# Altium PCB SAMW25_Xplained_Pro.PcbDoc (part 6 of 9)
Units mm, origin at the board's own origin, x right, y up, seen from the top; angles counter-clockwise.
Board outline 60 x 60 mm, 4 copper layers (Top Layer LF-signals, GND, POWER, Bottom Layer LF-signals), stack 1.602 mm thick; 139 components, 107 nets, 540 pads, 303 vias.
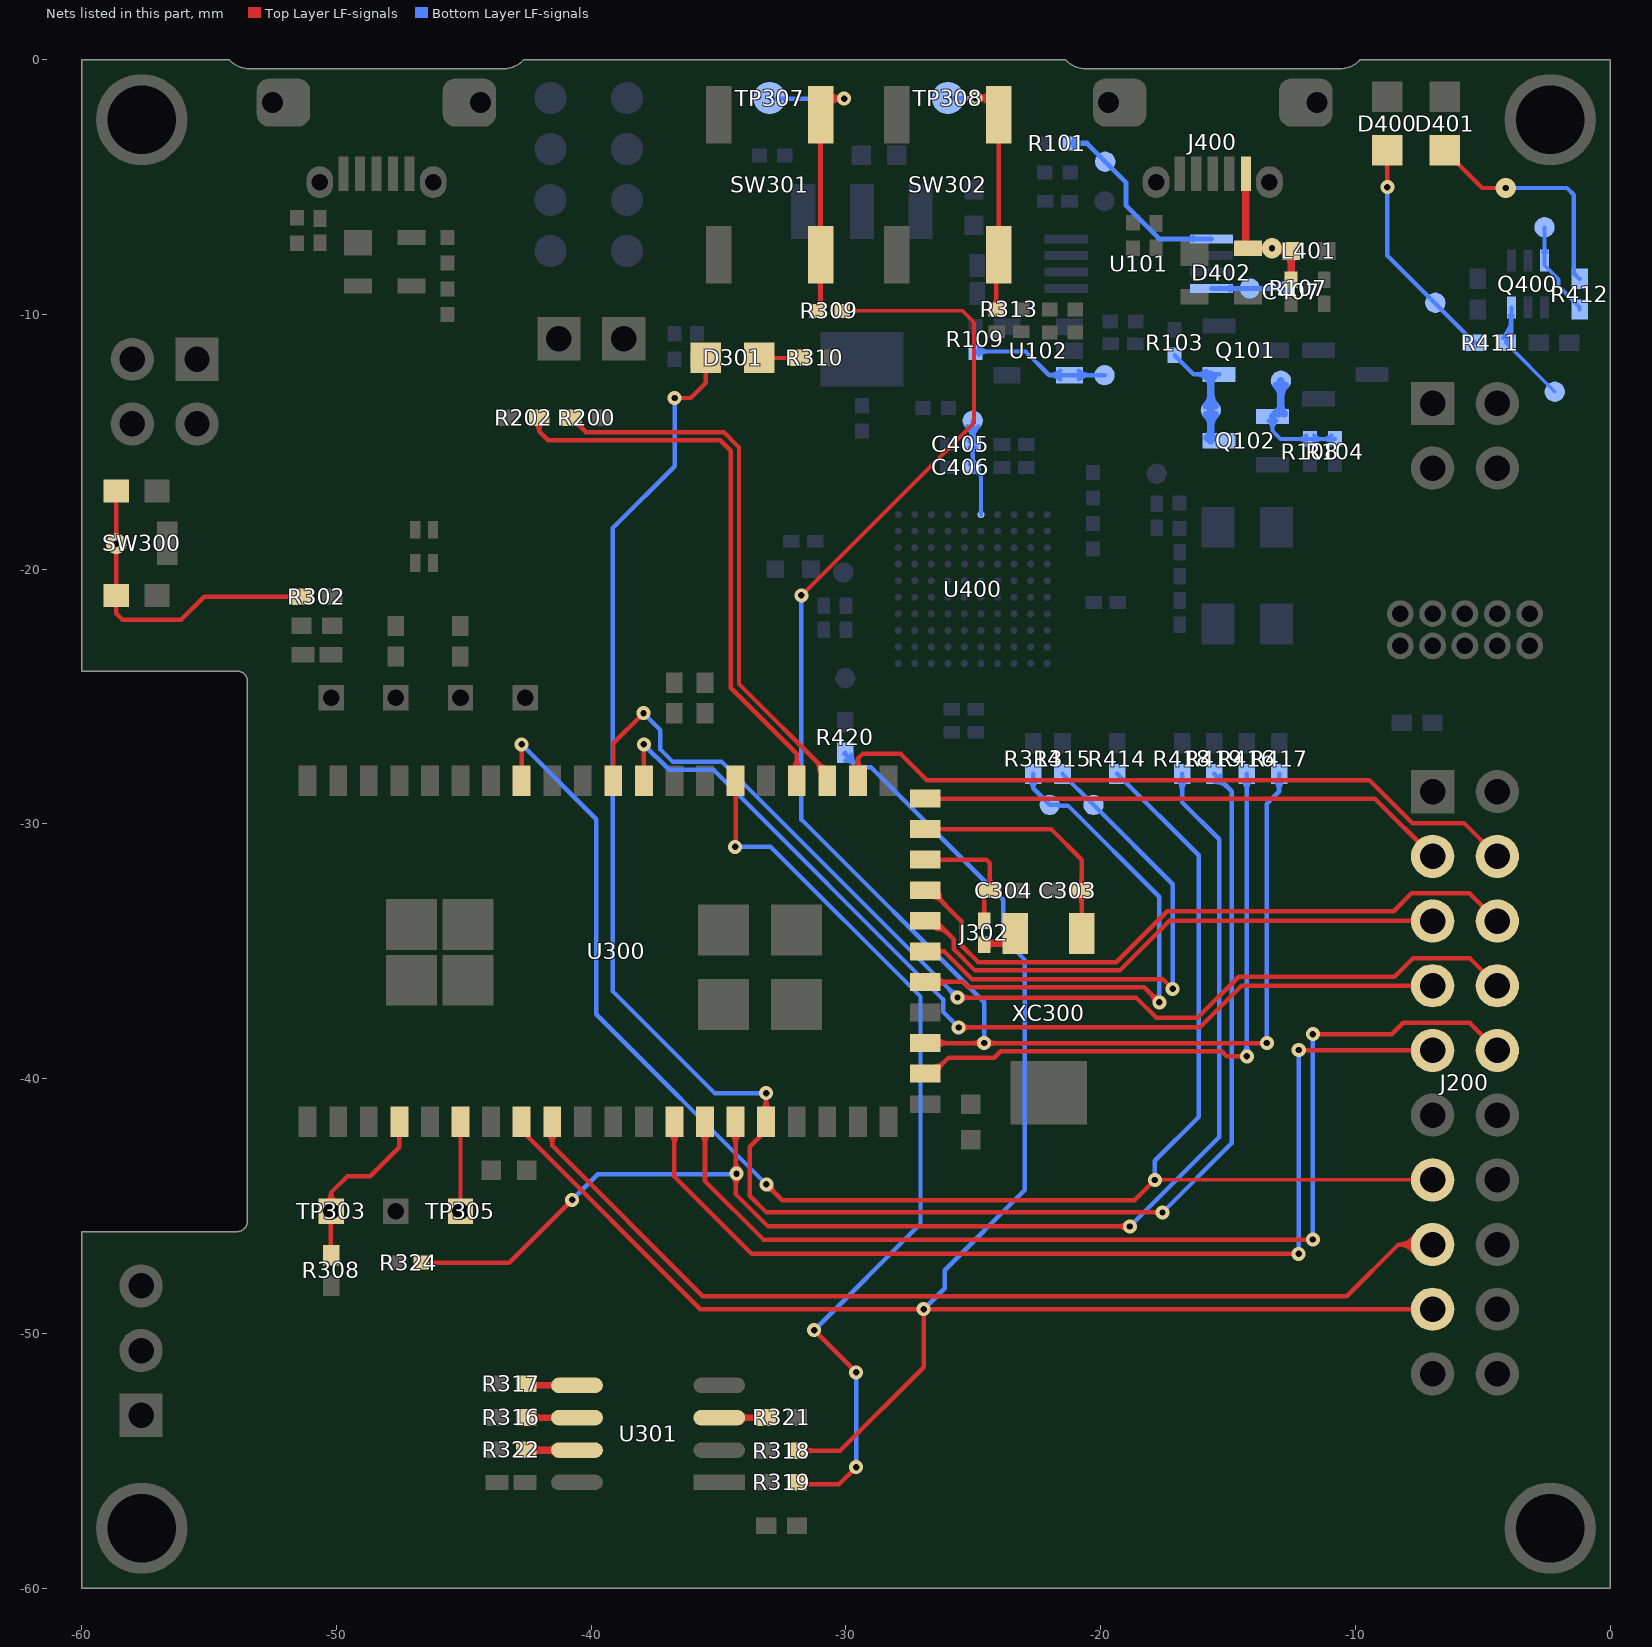
[diagram p8: the nets of this part, all layers, seen from the top]

## Via types
v1: diameter 0.55, hole 0.25, Top Layer LF-signals to Bottom Layer LF-signals, tented both sides, 213 vias
v2: diameter 0.55, hole 0.25, Top Layer LF-signals to Bottom Layer LF-signals, 46 vias
v3: diameter 0.55/0.8 (per signal layer), hole 0.25, Top Layer LF-signals to Bottom Layer LF-signals, tented top, 18 vias
v4: diameter 0.4, hole 0.2, Top Layer LF-signals to Bottom Layer LF-signals, 15 vias
v5: diameter 0.55, hole 0.25, Top Layer LF-signals to Bottom Layer LF-signals, tented top, 8 vias
v6: diameter 0.6, hole 0.3, Top Layer LF-signals to Bottom Layer LF-signals, tented both sides, 3 vias

## Nets (pads, with @x,y where several pads share a name; then routed paths per layer and width w, separated by ;. In a path a pad name is that pad's centre, name@x,y a point inside that pad or via, vN(x,y) a via of type N, cw(c..) or ccw(c..) an arc to the next point about the centre after c; other vN are vias at no path point) (continued)
NetC405_1: C405.1 C406.1 pad.0@-25.025,-14.166 U400.E10 | length 16.4
  Bottom Layer LF-signals w0.175: pad.0@-25.025,-14.166 C405.1@-25.025,-15.1 C406.1@-25.025,-16 -24.7,-16.325 ; U400.E10@-24.7,-17.85 -24.7,-16.325 ; pad.0@-25.246,-14.387 cw(c-25.779,-14.92) C405.1@-25.025,-14.92 ; pad.0@-25.246,-14.387 cw(c-25.779,-14.92) C405.1@-25.025,-14.92 ; pad.0@-25.246,-14.387 cw(c-25.779,-14.92) C405.1@-25.025,-14.92 ; C405.1@-25.17,-14.953 ccw(c-25.248,-14.789) -25.073,-14.742 ; C405.1@-25.17,-14.953 ccw(c-25.248,-14.789) -25.073,-14.742 ; C405.1@-25.17,-14.953 ccw(c-25.248,-14.789) -25.073,-14.742 ; C405.1@-25.17,-14.953 ccw(c-25.248,-14.789) -25.073,-14.742 ; C406.1@-25.14,-15.885 ccw(c-25.417,-15.608) -25.025,-15.608 ; C406.1@-25.14,-15.885 ccw(c-25.417,-15.608) -25.025,-15.608 ; C406.1@-25.14,-15.885 ccw(c-25.417,-15.608) -25.025,-15.608 ; C405.1@-25.14,-15.215 cw(c-25.417,-15.492) -25.025,-15.492 ; C405.1@-25.14,-15.215 cw(c-25.417,-15.492) -25.025,-15.492 ; C405.1@-25.14,-15.215 cw(c-25.417,-15.492) -25.025,-15.492 ; C405.1@-25.14,-14.985 ccw(c-25.417,-14.708) -25.025,-14.708 ; C405.1@-25.14,-14.985 ccw(c-25.417,-14.708) -25.025,-14.708 ; C405.1@-25.14,-14.985 ccw(c-25.417,-14.708) -25.025,-14.708 ; -25.025,-15.608 ccw(c-24.633,-15.608) C406.1@-24.91,-15.885 ; -25.025,-15.608 ccw(c-24.633,-15.608) C406.1@-24.91,-15.885 ; -25.025,-15.608 ccw(c-24.633,-15.608) C406.1@-24.91,-15.885 ; -25.025,-15.492 cw(c-24.633,-15.492) C405.1@-24.91,-15.215 ; -25.025,-15.492 cw(c-24.633,-15.492) C405.1@-24.91,-15.215 ; -25.025,-15.492 cw(c-24.633,-15.492) C405.1@-24.91,-15.215 ; C405.1@-25.025,-14.92 cw(c-24.271,-14.92) pad.0@-24.804,-14.387 ; C405.1@-25.025,-14.92 cw(c-24.271,-14.92) pad.0@-24.804,-14.387 ; C405.1@-25.025,-14.92 cw(c-24.271,-14.92) pad.0@-24.804,-14.387 ; -25.025,-14.708 ccw(c-24.633,-14.708) C405.1@-24.91,-14.985 ; -25.025,-14.708 ccw(c-24.633,-14.708) C405.1@-24.91,-14.985 ; -25.025,-14.708 ccw(c-24.633,-14.708) C405.1@-24.91,-14.985 ; -24.977,-14.742 ccw(c-24.802,-14.789) C405.1@-24.88,-14.953 ; -24.977,-14.742 ccw(c-24.802,-14.789) C405.1@-24.88,-14.953 ; -24.977,-14.742 ccw(c-24.802,-14.789) C405.1@-24.88,-14.953 ; -24.977,-14.742 ccw(c-24.802,-14.789) C405.1@-24.88,-14.953 ; C406.1@-24.95,-16.163 cw(c-24.95,-16.374) C406.1@-24.801,-16.224 ; C406.1@-24.95,-16.163 cw(c-24.95,-16.374) C406.1@-24.801,-16.224 ; C406.1@-24.95,-16.163 cw(c-24.95,-16.374) C406.1@-24.801,-16.224 ; C406.1@-24.79,-16.031 ccw(c-24.468,-16.093) -24.7,-16.325 ; C406.1@-24.79,-16.031 ccw(c-24.468,-16.093) -24.7,-16.325 ; C406.1@-24.79,-16.031 ccw(c-24.468,-16.093) -24.7,-16.325
NetC407_1: C407.1 D402.4 J400.1 L401.1 | length 11
  Top Layer LF-signals w0.2: C407.1@-12.625,-8.725 C407.1@-12.625,-8.625
  Top Layer LF-signals w0.3: D402.4@-14.3,-7.4 J400.1@-14.3,-5.15 ; D402.4@-14.225,-7.4 v3(-13.275,-7.4) L401.1@-12.625,-7.4 ; C407.1@-12.525,-8.625 L401.1@-12.525,-7.5 ; D402.4@-13.86,-7.506 cw(c-13.604,-7.762) v3@-13.604,-7.4 ; D402.4@-13.86,-7.506 cw(c-13.604,-7.762) v3@-13.604,-7.4 ; D402.4@-13.86,-7.506 cw(c-13.604,-7.762) v3@-13.604,-7.4 ; D402.4@-13.86,-7.294 ccw(c-13.604,-7.038) v3@-13.604,-7.4 ; D402.4@-13.86,-7.294 ccw(c-13.604,-7.038) v3@-13.604,-7.4 ; D402.4@-13.86,-7.294 ccw(c-13.604,-7.038) v3@-13.604,-7.4 ; v3@-13.249,-7.4 cw(c-13.249,-8.224) L401.1@-12.666,-7.641 ; v3@-13.249,-7.4 cw(c-13.249,-8.224) L401.1@-12.666,-7.641 ; v3@-13.249,-7.4 cw(c-13.249,-8.224) L401.1@-12.666,-7.641 ; L401.1@-12.666,-7.641 cw(c-13.008,-7.983) -12.525,-7.983 ; L401.1@-12.666,-7.641 cw(c-13.008,-7.983) -12.525,-7.983 ; L401.1@-12.666,-7.641 cw(c-13.008,-7.983) -12.525,-7.983 ; -12.525,-7.983 cw(c-12.042,-7.983) L401.1@-12.384,-7.641 ; -12.525,-7.983 cw(c-12.042,-7.983) L401.1@-12.384,-7.641 ; -12.525,-7.983 cw(c-12.042,-7.983) L401.1@-12.384,-7.641
NetD301_2: D301.2 R310.1 | length 2.2
  Top Layer LF-signals w0.15: D301.2@-33.654,-11.188 -33.4,-11.441 D301.2@-33.4,-11.7 R310.1@-31.825,-11.7
NetD400_1: D400.1 pad.0@-6.863,-9.538 R411.2 | length 9
  Top Layer LF-signals w0.175: v2(-8.75,-5) D400.1@-8.75,-3.55
  Bottom Layer LF-signals w0.175: v2(-8.75,-5) -8.75,-7.683 -5.333,-11.1 R411.2@-5.3,-11.1
NetD401_1: D401.1 R412.2 | length 9.2
  Top Layer LF-signals w0.175: D401.1@-6.5,-3.55 -5.02,-5.03 v3(-4.1,-5.03)
  Bottom Layer LF-signals w0.175: v3(-4.1,-5.03) -1.695,-5.03 -1.425,-5.3 -1.425,-8.375 R412.2@-1.2,-8.6
NetJ302_1: J302.1 XC300.2 | length 11.5
  Top Layer LF-signals w0.18: XC300.2@-23.346,-34.299 -23.787,-34.74 J302.1@-24.575,-34.74 ; J302.1@-24.575,-34.74 ccw(c-24.575,-33.505) XC300.2@-23.653,-34.326 ; J302.1@-24.575,-34.74 ccw(c-24.575,-33.505) XC300.2@-23.653,-34.326 ; J302.1@-24.575,-34.74 ccw(c-24.575,-33.505) XC300.2@-23.653,-34.326 ; J302.1@-24.482,-34.534 ccw(c-24.203,-34.141) -24.078,-34.607 ; J302.1@-24.482,-34.534 ccw(c-24.203,-34.141) -24.078,-34.607 ; J302.1@-24.482,-34.534 ccw(c-24.203,-34.141) -24.078,-34.607 ; J302.1@-24.482,-34.534 ccw(c-24.203,-34.141) -24.078,-34.607 ; J302.1@-24.462,-34.853 cw(c-24.189,-35.126) -24.189,-34.74 ; J302.1@-24.462,-34.853 cw(c-24.189,-35.126) -24.189,-34.74 ; J302.1@-24.462,-34.853 cw(c-24.189,-35.126) -24.189,-34.74 ; J302.1@-24.462,-34.627 ccw(c-24.189,-34.354) -24.189,-34.74 ; J302.1@-24.462,-34.627 ccw(c-24.189,-34.354) -24.189,-34.74 ; J302.1@-24.462,-34.627 ccw(c-24.189,-34.354) -24.189,-34.74 ; -24.173,-34.74 ccw(c-24.173,-33.862) XC300.2@-23.518,-34.446 ; -24.173,-34.74 ccw(c-24.173,-33.862) XC300.2@-23.518,-34.446 ; -24.173,-34.74 ccw(c-24.173,-33.862) XC300.2@-23.518,-34.446 ; -23.996,-34.74 cw(c-23.996,-35.249) XC300.2@-23.636,-34.889 ; -23.996,-34.74 cw(c-23.996,-35.249) XC300.2@-23.636,-34.889 ; -23.996,-34.74 cw(c-23.996,-35.249) XC300.2@-23.636,-34.889
NetQ101_1: pad.3@-15.675,-13.75 Q101.1 Q102.3 R103.1 | length 16.2
  Bottom Layer LF-signals w0.175: R103.1@-17.1,-11.6 -16.35,-12.35 -15.675,-12.35 Q101.1@-15.35,-12.35 ; -16.213,-12.35 cw(c-16.213,-12.863) Q101.1@-15.85,-12.5 ; -16.213,-12.35 ccw(c-16.213,-11.837) Q101.1@-15.85,-12.2 ; -16.213,-12.35 ccw(c-16.213,-11.837) Q101.1@-15.85,-12.2 ; -16.213,-12.35 cw(c-16.213,-12.863) Q101.1@-15.85,-12.5 ; -16.213,-12.35 ccw(c-16.213,-11.837) Q101.1@-15.85,-12.2 ; -16.213,-12.35 cw(c-16.213,-12.863) Q101.1@-15.85,-12.5
  Bottom Layer LF-signals w0.3: Q102.3@-15.675,-14.95 Q101.1@-15.675,-12.35 ; pad.3@-15.852,-13.927 cw(c-16.279,-14.354) -15.675,-14.354 ; pad.3@-15.852,-13.927 cw(c-16.279,-14.354) -15.675,-14.354 ; pad.3@-15.852,-13.927 cw(c-16.279,-14.354) -15.675,-14.354 ; pad.3@-15.852,-13.573 ccw(c-16.279,-13.146) -15.675,-13.146 ; pad.3@-15.852,-13.573 ccw(c-16.279,-13.146) -15.675,-13.146 ; pad.3@-15.852,-13.573 ccw(c-16.279,-13.146) -15.675,-13.146 ; Q102.3@-15.806,-14.844 ccw(c-16.122,-14.528) -15.675,-14.528 ; Q102.3@-15.806,-14.844 ccw(c-16.122,-14.528) -15.675,-14.528 ; Q102.3@-15.806,-14.844 ccw(c-16.122,-14.528) -15.675,-14.528 ; Q101.1@-15.806,-12.456 cw(c-16.122,-12.772) -15.675,-12.772 ; Q101.1@-15.806,-12.456 cw(c-16.122,-12.772) -15.675,-12.772 ; Q101.1@-15.806,-12.456 cw(c-16.122,-12.772) -15.675,-12.772 ; -15.675,-14.648 ccw(c-15.398,-14.648) Q102.3@-15.594,-14.844 ; -15.675,-14.648 ccw(c-15.398,-14.648) Q102.3@-15.594,-14.844 ; -15.675,-14.648 ccw(c-15.398,-14.648) Q102.3@-15.594,-14.844 ; -15.675,-14.354 cw(c-15.071,-14.354) pad.3@-15.498,-13.927 ; -15.675,-14.354 cw(c-15.071,-14.354) pad.3@-15.498,-13.927 ; -15.675,-14.354 cw(c-15.071,-14.354) pad.3@-15.498,-13.927 ; -15.675,-13.146 ccw(c-15.071,-13.146) pad.3@-15.498,-13.573 ; -15.675,-13.146 ccw(c-15.071,-13.146) pad.3@-15.498,-13.573 ; -15.675,-13.146 ccw(c-15.071,-13.146) pad.3@-15.498,-13.573 ; -15.675,-12.652 cw(c-15.398,-12.652) Q101.1@-15.594,-12.456 ; -15.675,-12.652 cw(c-15.398,-12.652) Q101.1@-15.594,-12.456 ; -15.675,-12.652 cw(c-15.398,-12.652) Q101.1@-15.594,-12.456
NetQ102_1: pad.3@-12.925,-12.6 Q102.1 R104.1 R108.2 | length 17.9
  Bottom Layer LF-signals w0.15: Q102.1@-13.399,-14.168 cw(c-13.693,-14.5) -13.25,-14.5 cw(c-12.807,-14.5) Q102.1@-13.101,-14.168 ; Q102.1@-13.25,-14 -13.25,-14.575 -12.946,-14.879 R108.2@-11.775,-14.879 R104.1@-10.8,-14.879 ; -13.25,-14.543 cw(c-12.707,-14.543) -13.091,-14.159 ccw(c-12.707,-14.543) -13.25,-14.543 ; -13.25,-14.543 ccw(c-13.793,-14.543) -13.409,-14.159 cw(c-13.793,-14.543) -13.25,-14.543 ; -12.258,-14.879 cw(c-12.258,-15.362) R108.2@-11.916,-15.021 ; -12.258,-14.879 ccw(c-12.258,-14.396) R108.2@-11.916,-14.738 ; -12.258,-14.879 ccw(c-12.258,-14.396) R108.2@-11.916,-14.738 ; -12.258,-14.879 cw(c-12.258,-15.362) R108.2@-11.916,-15.021 ; -12.258,-14.879 ccw(c-12.258,-14.396) R108.2@-11.916,-14.738 ; -12.258,-14.879 cw(c-12.258,-15.362) R108.2@-11.916,-15.021 ; R108.2@-11.634,-15.021 cw(c-11.292,-15.362) -11.292,-14.879 ; R108.2@-11.634,-15.021 cw(c-11.292,-15.362) -11.292,-14.879 ; R108.2@-11.634,-15.021 cw(c-11.292,-15.362) -11.292,-14.879 ; R108.2@-11.634,-14.738 ccw(c-11.292,-14.396) -11.292,-14.879 ; R108.2@-11.634,-14.738 ccw(c-11.292,-14.396) -11.292,-14.879 ; R108.2@-11.634,-14.738 ccw(c-11.292,-14.396) -11.292,-14.879 ; -11.283,-14.879 cw(c-11.283,-15.362) R104.1@-10.941,-15.021 ; -11.283,-14.879 ccw(c-11.283,-14.396) R104.1@-10.941,-14.738 ; -11.283,-14.879 ccw(c-11.283,-14.396) R104.1@-10.941,-14.738 ; -11.283,-14.879 cw(c-11.283,-15.362) R104.1@-10.941,-15.021 ; -11.283,-14.879 ccw(c-11.283,-14.396) R104.1@-10.941,-14.738 ; -11.283,-14.879 cw(c-11.283,-15.362) R104.1@-10.941,-15.021
  Bottom Layer LF-signals w0.3: Q102.1@-13.25,-14 -12.925,-13.675 ; pad.3@-12.925,-12.6 -12.925,-13.675 ; Q102.1@-13.006,-13.894 ccw(c-13.202,-13.698) -12.925,-13.698 ; Q102.1@-13.006,-13.894 ccw(c-13.202,-13.698) -12.925,-13.698 ; Q102.1@-13.006,-13.894 ccw(c-13.202,-13.698) -12.925,-13.698 ; Q102.1@-13.006,-13.894 ccw(c-13.202,-13.698) -12.925,-13.698 ; -12.925,-13.675 ccw(c-12.686,-13.675) -12.817,-13.875 cw(c-12.686,-13.675) -12.925,-13.675 ; -12.925,-13.204 cw(c-12.321,-13.204) -12.748,-12.777 ccw(c-12.321,-13.204) -12.925,-13.204 ; -12.925,-13.204 ccw(c-13.529,-13.204) -13.102,-12.777 cw(c-13.529,-13.204) -12.925,-13.204 ; -12.925,-13.578 ccw(c-12.478,-13.578) -12.794,-13.894 cw(c-12.478,-13.578) -12.925,-13.578
NetQ400_3: pad.0@-2.575,-6.575 Q400.3 R412.1 | length 4.9
  Bottom Layer LF-signals w0.15: pad.0@-2.575,-6.575 Q400.3@-2.575,-7.875 -2.575,-8.064 -2.027,-8.612 -2.027,-8.881 -1.2,-9.708 R412.1@-1.2,-9.8 ; Q400.3@-2.646,-7.554 ccw(c-2.816,-7.384) -2.575,-7.384 ; Q400.3@-2.646,-7.554 ccw(c-2.816,-7.384) -2.575,-7.384 ; Q400.3@-2.646,-7.554 ccw(c-2.816,-7.384) -2.575,-7.384 ; -2.575,-7.384 ccw(c-2.334,-7.384) Q400.3@-2.504,-7.554 ; -2.575,-7.384 ccw(c-2.334,-7.384) Q400.3@-2.504,-7.554 ; -2.575,-7.384 ccw(c-2.334,-7.384) Q400.3@-2.504,-7.554
NetQ400_6: pad.0@-2.172,-13.028 Q400.6 R411.1 | length 14.9
  Bottom Layer LF-signals w0.15: Q400.6@-3.875,-9.725 -3.875,-10.875 R411.1@-4.1,-11.1 pad.0@-2.172,-13.028 ; R411.1@-4.202,-10.923 ccw(c-4.991,-10.134) Q400.6@-3.875,-10.134 ; R411.1@-4.202,-10.923 ccw(c-4.991,-10.134) Q400.6@-3.875,-10.134 ; R411.1@-4.202,-10.923 ccw(c-4.991,-10.134) Q400.6@-3.875,-10.134 ; R411.1@-4.096,-11.029 ccw(c-4.629,-10.496) -3.875,-10.496 ; R411.1@-4.096,-11.029 ccw(c-4.629,-10.496) -3.875,-10.496 ; R411.1@-4.096,-11.029 ccw(c-4.629,-10.496) -3.875,-10.496 ; R411.1@-4.085,-10.857 ccw(c-4.145,-10.615) -3.929,-10.74 ; R411.1@-4.085,-10.857 ccw(c-4.145,-10.615) -3.929,-10.74 ; R411.1@-4.085,-10.857 ccw(c-4.145,-10.615) -3.929,-10.74 ; -4.059,-10.677 ccw(c-3.843,-10.801) R411.1@-3.973,-11.015 ; -4.059,-10.677 ccw(c-3.843,-10.801) R411.1@-3.973,-11.015 ; -4.059,-10.677 ccw(c-3.843,-10.801) R411.1@-3.973,-11.015 ; -3.983,-10.544 ccw(c-3.764,-10.67) R411.1@-3.895,-10.886 ; -3.983,-10.544 ccw(c-3.764,-10.67) R411.1@-3.895,-10.886 ; -3.983,-10.544 ccw(c-3.764,-10.67) R411.1@-3.895,-10.886 ; Q400.6@-3.959,-10.029 cw(c-4.257,-10.222) -3.91,-10.297 ; Q400.6@-3.959,-10.029 cw(c-4.257,-10.222) -3.91,-10.297 ; Q400.6@-3.959,-10.029 cw(c-4.257,-10.222) -3.91,-10.297 ; Q400.6@-3.959,-10.029 cw(c-4.257,-10.222) -3.91,-10.297 ; Q400.6@-3.959,-10.029 cw(c-4.257,-10.222) -3.91,-10.297 ; Q400.6@-3.959,-10.029 cw(c-4.257,-10.222) -3.91,-10.297 ; Q400.6@-3.946,-10.046 cw(c-4.116,-10.216) -3.875,-10.216 ; Q400.6@-3.946,-10.046 cw(c-4.116,-10.216) -3.875,-10.216 ; Q400.6@-3.946,-10.046 cw(c-4.116,-10.216) -3.875,-10.216 ; -3.929,-10.74 ccw(c-3.833,-10.795) R411.1@-3.892,-10.888 ; -3.929,-10.74 ccw(c-3.833,-10.795) R411.1@-3.892,-10.888 ; -3.929,-10.74 ccw(c-3.833,-10.795) R411.1@-3.892,-10.888 ; -3.875,-10.216 cw(c-3.634,-10.216) Q400.6@-3.804,-10.046 ; -3.875,-10.216 cw(c-3.634,-10.216) Q400.6@-3.804,-10.046 ; -3.875,-10.216 cw(c-3.634,-10.216) Q400.6@-3.804,-10.046
NetR101_1: pad.3@-19.825,-4 R101.1 U101.1 | length 10.4
  Bottom Layer LF-signals w0.2: R101.1@-21.1,-3.275 -20.55,-3.275 pad.3@-19.825,-4 -19,-4.825 -19,-5.725 -17.7,-7.025 U101.1@-15.65,-7.025 ; R101.1@-21.051,-3.399 cw(c-20.753,-3.697) -20.753,-3.275 ; R101.1@-21.051,-3.399 cw(c-20.753,-3.697) -20.753,-3.275 ; R101.1@-21.051,-3.399 cw(c-20.753,-3.697) -20.753,-3.275 ; R101.1@-21.051,-3.151 ccw(c-20.753,-2.853) -20.753,-3.275 ; R101.1@-21.051,-3.151 ccw(c-20.753,-2.853) -20.753,-3.275 ; R101.1@-21.051,-3.151 ccw(c-20.753,-2.853) -20.753,-3.275 ; -16.506,-7.025 cw(c-16.506,-7.206) U101.1@-16.378,-7.078 ; -16.506,-7.025 ccw(c-16.506,-6.844) U101.1@-16.378,-6.972 ; -16.506,-7.025 ccw(c-16.506,-6.844) U101.1@-16.378,-6.972 ; -16.506,-7.025 cw(c-16.506,-7.206) U101.1@-16.378,-7.078 ; -16.506,-7.025 ccw(c-16.506,-6.844) U101.1@-16.378,-6.972 ; -16.506,-7.025 cw(c-16.506,-7.206) U101.1@-16.378,-7.078
NetR107_2: pad.3@-14.15,-8.975 R107.2 U101.4 | length 5.6
  Bottom Layer LF-signals w0.2: U101.4@-15.65,-8.975 -14.5,-8.975 R107.2@-12.85,-8.975 ; U101.4@-14.922,-9.028 cw(c-14.794,-9.156) -14.794,-8.975 ; U101.4@-14.922,-9.028 cw(c-14.794,-9.156) -14.794,-8.975 ; U101.4@-14.922,-9.028 cw(c-14.794,-9.156) -14.794,-8.975 ; U101.4@-14.922,-8.922 ccw(c-14.794,-8.794) -14.794,-8.975 ; U101.4@-14.922,-8.922 ccw(c-14.794,-8.794) -14.794,-8.975 ; U101.4@-14.922,-8.922 ccw(c-14.794,-8.794) -14.794,-8.975 ; -13.197,-8.975 cw(c-13.197,-9.397) R107.2@-12.899,-9.099 ; -13.197,-8.975 ccw(c-13.197,-8.553) R107.2@-12.899,-8.851 ; -13.197,-8.975 ccw(c-13.197,-8.553) R107.2@-12.899,-8.851 ; -13.197,-8.975 cw(c-13.197,-9.397) R107.2@-12.899,-9.099 ; -13.197,-8.975 ccw(c-13.197,-8.553) R107.2@-12.899,-8.851 ; -13.197,-8.975 cw(c-13.197,-9.397) R107.2@-12.899,-9.099
NetR109_2: pad.3@-19.85,-12.378 R109.2 U102.3 | length 13
  Bottom Layer LF-signals w0.175: R109.2@-24.925,-11.475 -24.9,-11.45 -22.95,-11.45 -22.022,-12.378 U102.3@-21.225,-12.378 pad.3@-19.85,-12.378 ; R109.2@-24.792,-11.583 cw(c-24.472,-11.903) -24.472,-11.45 ; R109.2@-24.792,-11.583 cw(c-24.472,-11.903) -24.472,-11.45 ; R109.2@-24.792,-11.583 cw(c-24.472,-11.903) -24.472,-11.45 ; R109.2@-24.792,-11.317 ccw(c-24.472,-10.997) -24.472,-11.45 ; R109.2@-24.792,-11.317 ccw(c-24.472,-10.997) -24.472,-11.45 ; R109.2@-24.792,-11.317 ccw(c-24.472,-10.997) -24.472,-11.45 ; -21.998,-12.378 cw(c-21.998,-12.951) U102.3@-21.593,-12.546 ; -21.998,-12.378 ccw(c-21.998,-11.805) U102.3@-21.593,-12.21 ; -21.998,-12.378 ccw(c-21.998,-11.805) U102.3@-21.593,-12.21 ; -21.998,-12.378 cw(c-21.998,-12.951) U102.3@-21.593,-12.546 ; -21.998,-12.378 ccw(c-21.998,-11.805) U102.3@-21.593,-12.21 ; -21.998,-12.378 cw(c-21.998,-12.951) U102.3@-21.593,-12.546 ; U102.3@-20.857,-12.546 cw(c-20.452,-12.951) -20.452,-12.378 ; U102.3@-20.857,-12.546 cw(c-20.452,-12.951) -20.452,-12.378 ; U102.3@-20.857,-12.546 cw(c-20.452,-12.951) -20.452,-12.378 ; U102.3@-20.857,-12.21 ccw(c-20.452,-11.805) -20.452,-12.378 ; U102.3@-20.857,-12.21 ccw(c-20.452,-11.805) -20.452,-12.378 ; U102.3@-20.857,-12.21 ccw(c-20.452,-11.805) -20.452,-12.378
NetR302_1: R302.1 SW300.2 SW300.4 | length 15.3
  Top Layer LF-signals w0.175: SW300.2@-58.65,-16.925 v3(-58.65,-19) SW300.4@-58.65,-21.025 -58.65,-21.738 -58.412,-21.975 -56.1,-21.975 -55.2,-21.075 R302.1@-51.375,-21.075 ; -52.023,-21.075 cw(c-52.023,-21.648) R302.1@-51.618,-21.243 ; -52.023,-21.075 ccw(c-52.023,-20.502) R302.1@-51.618,-20.907 ; -52.023,-21.075 ccw(c-52.023,-20.502) R302.1@-51.618,-20.907 ; -52.023,-21.075 cw(c-52.023,-21.648) R302.1@-51.618,-21.243 ; -52.023,-21.075 ccw(c-52.023,-20.502) R302.1@-51.618,-20.907 ; -52.023,-21.075 cw(c-52.023,-21.648) R302.1@-51.618,-21.243
NetR308_1: R308.1 TP303.1 U300.4 | length 9.6
  Top Layer LF-signals w0.175: R308.1@-50.225,-46.915 TP303.1@-50.225,-45.175 ; TP303.1@-50.215,-45.2 -50.215,-44.465 ; U300.4@-47.535,-41.696 -47.535,-42.685 -48.675,-43.825 -49.575,-43.825 -50.215,-44.465 ; TP303.1@-50.43,-44.848 ccw(c-50.664,-44.465) -50.215,-44.465 ; TP303.1@-50.43,-44.848 ccw(c-50.664,-44.465) -50.215,-44.465 ; TP303.1@-50.43,-44.848 ccw(c-50.664,-44.465) -50.215,-44.465 ; -50.215,-44.465 ccw(c-49.766,-44.465) TP303.1@-50,-44.848 ; -50.215,-44.465 ccw(c-49.766,-44.465) TP303.1@-50,-44.848 ; -50.215,-44.465 ccw(c-49.766,-44.465) TP303.1@-50,-44.848
  Top Layer LF-signals w0.3: R308.1@-50.225,-46.915 R308.1@-50.215,-46.925
NetR309_1: R309.1 SW301.3 SW301.4 TP307.1 | length 18.8
  Top Layer LF-signals w0.175: SW301.4@-31,-2.15 -31,-1.55 -30.975,-1.525 v5(-30.075,-1.525) ; SW301.4@-30.823,-1.684 cw(c-30.467,-2.003) -30.467,-1.525 ; SW301.4@-30.823,-1.684 cw(c-30.467,-2.003) -30.467,-1.525 ; SW301.4@-30.823,-1.684 cw(c-30.467,-2.003) -30.467,-1.525 ; SW301.4@-30.823,-1.366 ccw(c-30.467,-1.047) -30.467,-1.525 ; SW301.4@-30.823,-1.366 ccw(c-30.467,-1.047) -30.467,-1.525 ; SW301.4@-30.823,-1.366 ccw(c-30.467,-1.047) -30.467,-1.525 ; SW301.4@-30.693,-1.801 cw(c-30.075,-2.356) v5(-30.075,-1.525) ; SW301.4@-30.693,-1.801 cw(c-30.075,-2.356) v5(-30.075,-1.525) ; SW301.4@-30.693,-1.801 cw(c-30.075,-2.356) v5(-30.075,-1.525) ; SW301.4@-30.693,-1.249 ccw(c-30.075,-0.694) v5(-30.075,-1.525) ; SW301.4@-30.693,-1.249 ccw(c-30.075,-0.694) v5(-30.075,-1.525) ; SW301.4@-30.693,-1.249 ccw(c-30.075,-0.694) v5(-30.075,-1.525)
  Top Layer LF-signals w0.2: R309.1@-31.15,-9.85 -31,-9.7 SW301.3@-31,-7.65 SW301.4@-31,-2.15
  Bottom Layer LF-signals w0.175: TP307.1@-32.975,-1.525 v5(-30.075,-1.525)
NetR313_1: R313.1 SW302.3 SW302.4 TP308.1 | length 19
  Top Layer LF-signals w0.175: R313.1@-24.1,-9.8 -24.1,-7.75 SW302.3@-24,-7.65 SW302.4@-24,-2.15 -24,-1.6 -24.1,-1.5 v5(-24.925,-1.5) ; v5(-24.925,-1.5) cw(c-24.925,-2.284) SW302.4@-24.319,-1.787 ; v5(-24.925,-1.5) ccw(c-24.925,-0.615) SW302.4@-24.294,-1.236 ; v5(-24.925,-1.5) ccw(c-24.925,-0.615) SW302.4@-24.294,-1.236 ; v5(-24.925,-1.5) cw(c-24.925,-2.284) SW302.4@-24.319,-1.787 ; v5(-24.925,-1.5) ccw(c-24.925,-0.615) SW302.4@-24.294,-1.236 ; v5(-24.925,-1.5) cw(c-24.925,-2.284) SW302.4@-24.319,-1.787 ; -24.555,-1.5 cw(c-24.555,-1.98) SW302.4@-24.184,-1.676 ; -24.555,-1.5 cw(c-24.555,-1.98) SW302.4@-24.184,-1.676 ; -24.555,-1.5 cw(c-24.555,-1.98) SW302.4@-24.184,-1.676 ; -24.507,-1.5 ccw(c-24.507,-1.026) SW302.4@-24.169,-1.358 ; -24.507,-1.5 ccw(c-24.507,-1.026) SW302.4@-24.169,-1.358 ; -24.507,-1.5 ccw(c-24.507,-1.026) SW302.4@-24.169,-1.358 ; R313.1@-24.233,-9.667 ccw(c-24.553,-9.347) -24.1,-9.347 ; R313.1@-24.233,-9.667 ccw(c-24.553,-9.347) -24.1,-9.347 ; R313.1@-24.233,-9.667 ccw(c-24.553,-9.347) -24.1,-9.347 ; -24.1,-9.347 ccw(c-23.647,-9.347) R313.1@-23.967,-9.667 ; -24.1,-9.347 ccw(c-23.647,-9.347) R313.1@-23.967,-9.667 ; -24.1,-9.347 ccw(c-23.647,-9.347) R313.1@-23.967,-9.667
  Bottom Layer LF-signals w0.175: TP308.1@-26,-1.5 v5(-24.925,-1.5)